# Altium PCB FPGA1.PcbDoc (part 3 of 5) (continued)
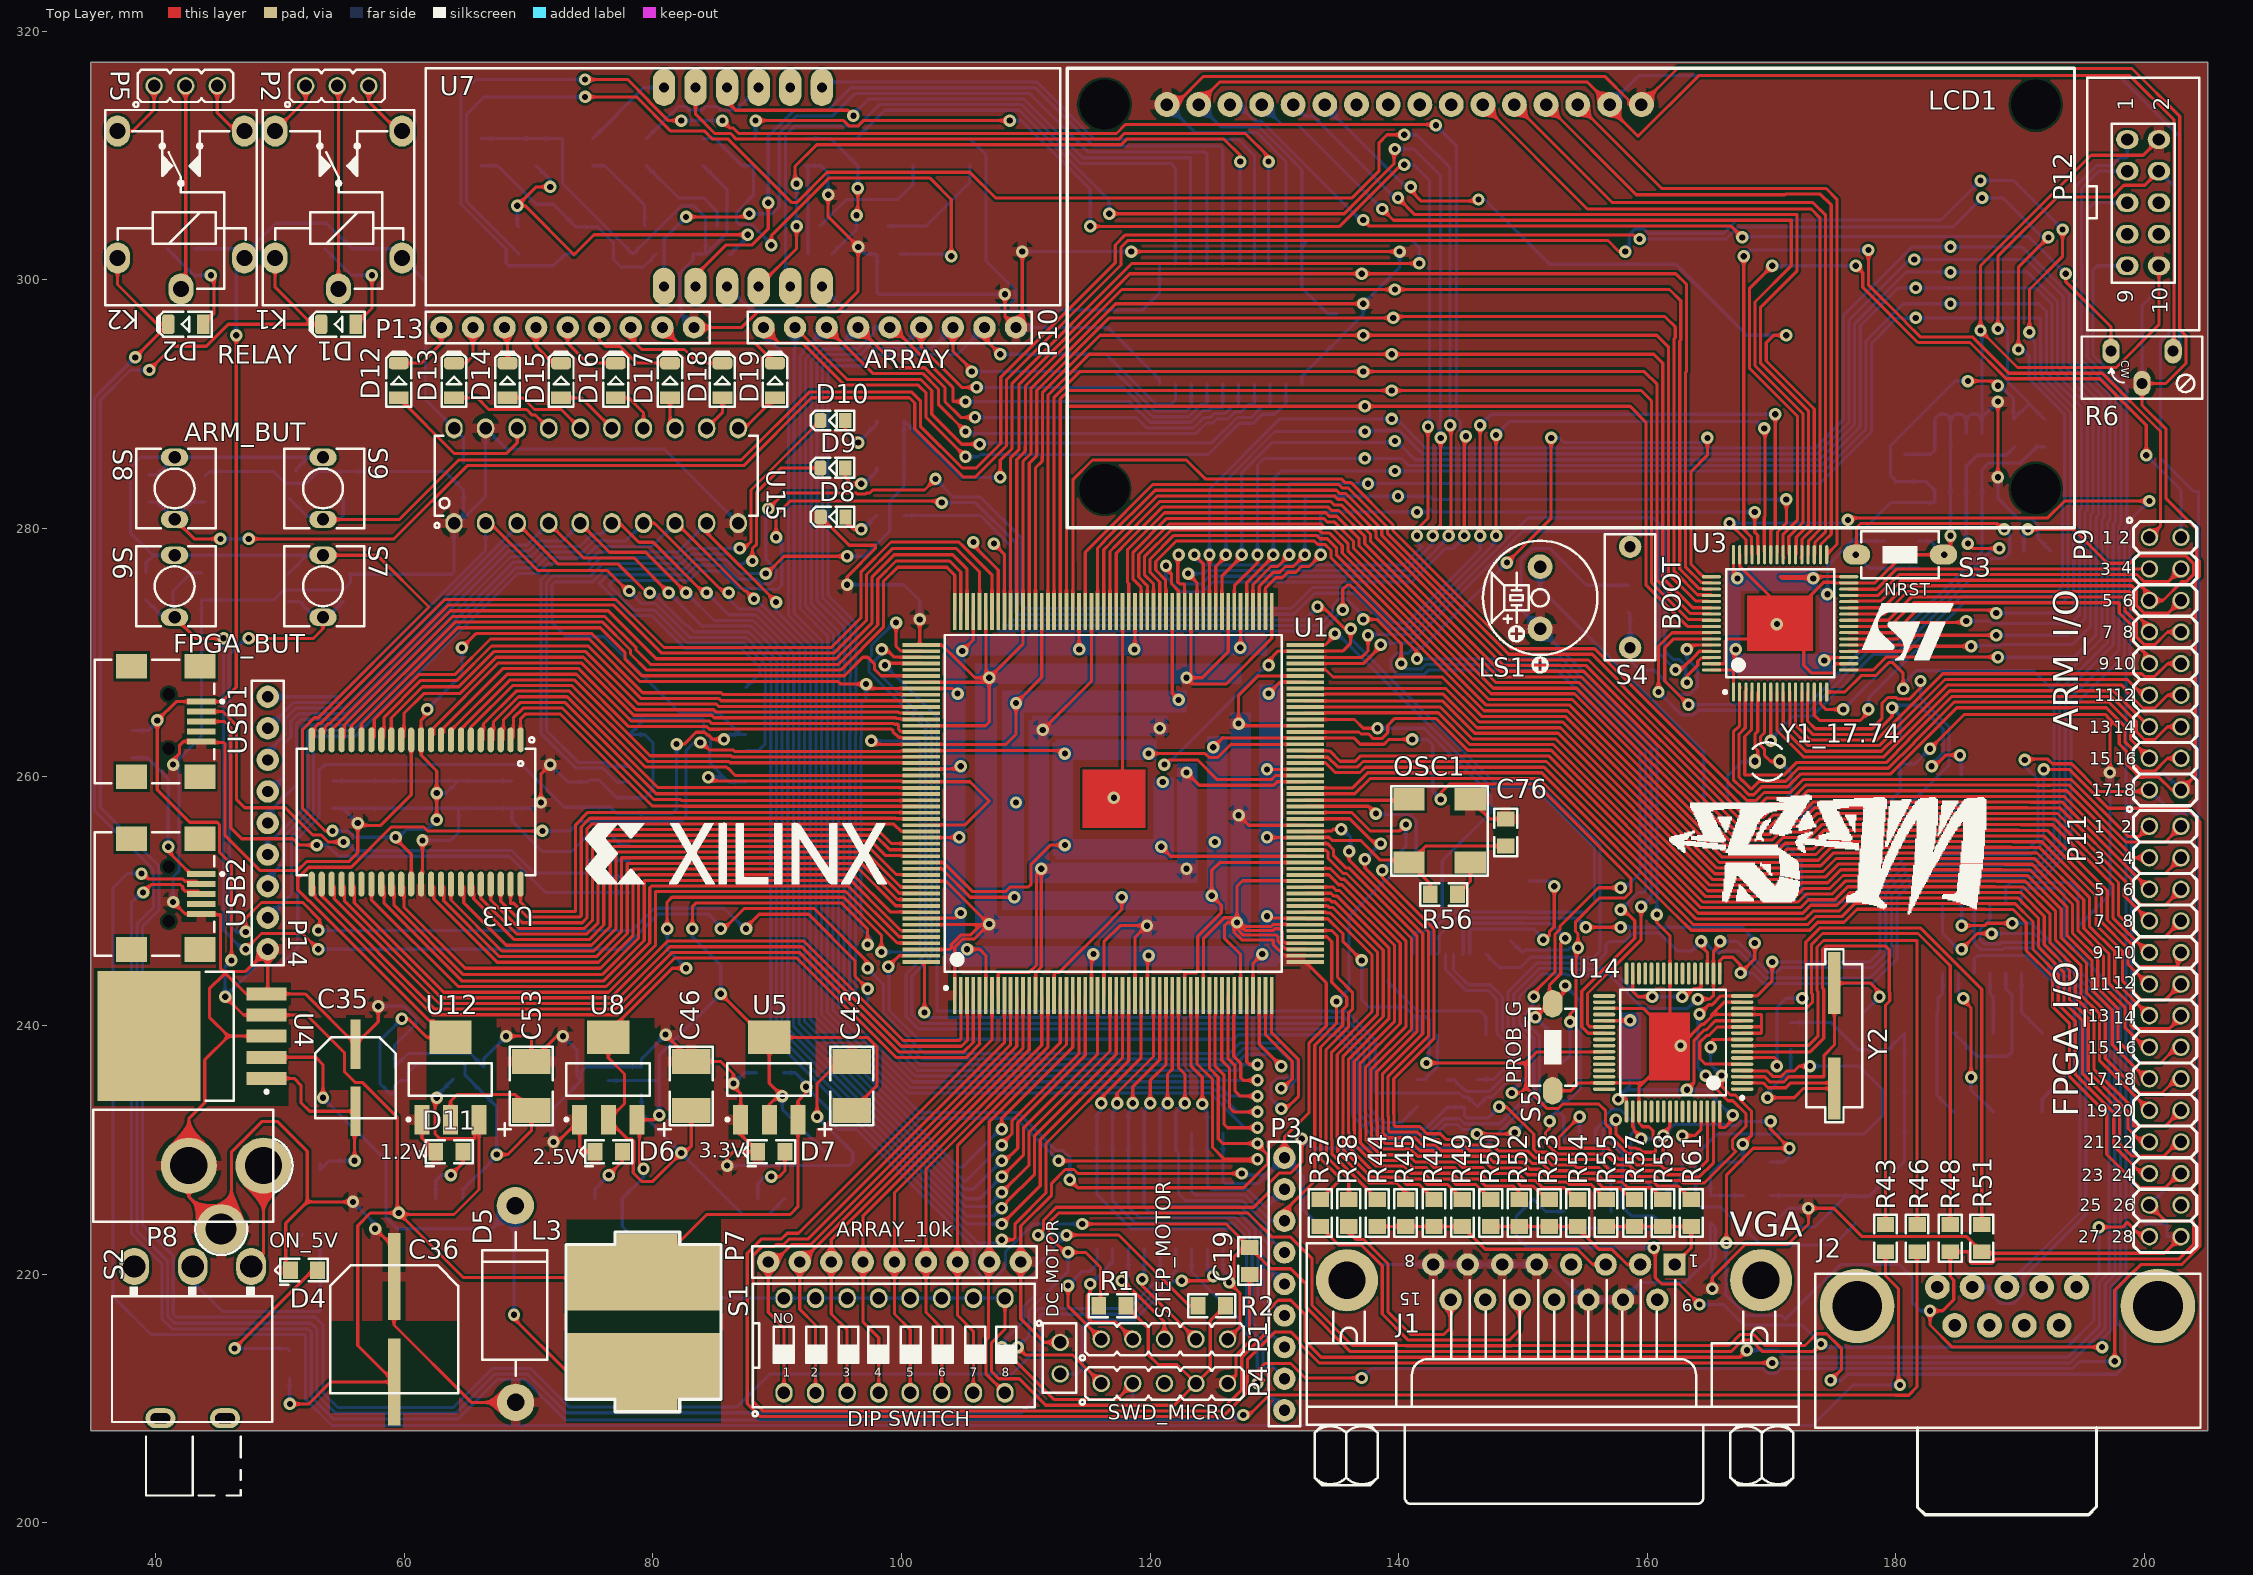
[diagram p0: Top Layer view]
## Nets (pads, with @x,y where several pads share a name; then routed paths per layer and width w, separated by ;. In a path a pad name is that pad's centre, name@x,y a point inside that pad or via, vN(x,y) a via of type N, cw(c..) or ccw(c..) an arc to the next point about the centre after c; other vN are vias at no path point) (continued)
IO2: U1.171 U13.9 | length 43.8
  Top Layer w0.254: U13.9@62.96,262.975 62.96,263.366 63.183,263.589 63.183,263.964 67.932,268.713 74.049,268.713 78.264,264.498 84.539,264.498 84.75,264.287 85.183,264.287 85.194,264.298 99.372,264.298 99.441,264.229 99.726,264.229 99.768,264.187 99.768,263.829 99.96,263.637 101.572,263.637 U1.171@101.595,263.614
IO3: U1.169 U13.10 | length 44.3
  Top Layer w0.254: U13.10@62.16,262.975 62.16,263.201 62.383,263.424 62.383,263.964 67.586,269.167 74.237,269.167 78.452,264.952 84.727,264.952 84.938,264.741 84.995,264.741 85.006,264.752 99.56,264.752 99.629,264.683 99.914,264.683 99.96,264.637 101.572,264.637 U1.169@101.595,264.614
IO4: U1.168 U13.13 | length 47.6
  Top Layer w0.254: U13.13@59.76,262.975 59.983,263.198 59.983,265.122 61.561,266.7 64.477,266.7 67.398,269.621 74.425,269.621 78.64,265.406 84.915,265.406 85.115,265.206 99.749,265.206 99.818,265.137 101.356,265.137 101.393,265.1 101.581,265.1 U1.168@101.595,265.114
IO5: U1.167 U13.14 | length 48.5
  Top Layer w0.254: U13.14@58.96,262.975 58.96,264.741 61.468,267.249 64.384,267.249 67.21,270.075 74.613,270.075 78.828,265.86 85.103,265.86 85.303,265.66 99.937,265.66 99.96,265.637 101.498,265.637 101.544,265.591 101.572,265.591 U1.167@101.595,265.614
IO6: U1.166 U13.15 | length 49.3
  Top Layer w0.254: U13.15@58.16,262.975 58.383,263.198 58.383,264.806 61.341,267.764 64.257,267.764 67.022,270.529 74.801,270.529 79.016,266.314 85.291,266.314 85.482,266.123 101.586,266.123 U1.166@101.595,266.114
IO7: U1.165 U13.16 | length 50.3
  Top Layer w0.254: U13.16@57.36,262.975 57.583,263.198 57.583,264.648 61.159,268.224 64.075,268.224 66.942,271.091 74.881,271.091 79.204,266.768 85.479,266.768 85.612,266.635 97.498,266.635 97.5,266.637 101.572,266.637 U1.165@101.595,266.614
IO8: U1.204 U13.29 | length 56
  Top Layer w0.254: U13.29@57.36,251.375 57.36,250.107 64.335,243.132 76.247,243.132 79.759,246.644 79.759,251.082 79.899,251.222 95.733,251.222 99.818,247.137 101.572,247.137 U1.204@101.595,247.114
IO9: U1.203 U13.30 | length 55.3
  Top Layer w0.254: U13.30@58.16,251.375 58.383,251.152 58.383,249.832 64.629,243.586 76.059,243.586 79.305,246.832 79.305,251.676 95.921,251.676 98.868,248.729 99.566,248.031 99.96,247.637 101.572,247.637 U1.203@101.595,247.614
IO10: U1.200 U13.31 | length 54.1
  Top Layer w0.254: U13.31@58.96,251.375 59.183,251.152 59.183,249.674 64.763,244.094 75.925,244.094 78.851,247.02 78.851,252.13 96.109,252.13 99.102,249.137 101.572,249.137 U1.200@101.595,249.114
IO11: U1.199 U13.32 | length 53.3
  Top Layer w0.254: U13.32@59.76,251.375 59.983,251.152 59.983,249.516 64.897,244.602 75.791,244.602 78.397,247.208 78.397,252.584 96.586,252.584 99.533,249.637 101.572,249.637 U1.199@101.595,249.614
IO12: U1.198 U13.35 | length 50.4
  Top Layer w0.254: U13.35@62.16,251.375 62.383,251.152 62.383,250.185 67.48,245.088 75.635,245.088 77.943,247.396 77.943,253.038 96.774,253.038 99.675,250.137 101.572,250.137 U1.198@101.595,250.114
IO13: U1.197 U13.36 | length 49.7
  Top Layer w0.254: U13.36@62.96,251.375 63.183,251.152 63.183,250.027 67.668,245.542 75.447,245.542 77.489,247.584 77.489,253.492 96.963,253.492 99.818,250.637 101.572,250.637 U1.197@101.595,250.614
IO14: U1.196 U13.37 | length 48.9
  Top Layer w0.254: U13.37@63.76,251.375 63.76,250.092 67.856,245.996 75.259,245.996 77.035,247.772 77.035,253.939 77.042,253.946 97.151,253.946 99.96,251.137 101.572,251.137 U1.196@101.595,251.114
IO15: U1.194 U13.38 | length 47.7
  Top Layer w0.254: U13.38@64.56,251.375 64.783,251.152 64.783,249.869 68.202,246.45 75.071,246.45 76.581,247.96 76.581,254.127 76.854,254.4 97.339,254.4 99.606,252.133 99.955,252.133 99.96,252.137 101.572,252.137 U1.194@101.595,252.114
K_1: P7.1 S1.1 U1.10 | length 41.8
  Top Layer w0.254: S1.1@90.551,210.444 90.551,215.646 89.281,216.916 P7.1@89.281,220.98 89.789,220.98 91.186,222.377 92.696,222.377 108.785,238.466 U1.10@108.785,242.411
K_2: P7.2 S1.2 U1.11 | length 39.8
  Top Layer w0.254: S1.2@93.091,210.434 93.091,215.9 91.821,217.17 P7.2@91.821,220.98 91.941,220.98 109.285,238.324 U1.11@109.285,242.411
K_3: P7.3 S1.3 U1.12 | length 38.9
  Top Layer w0.254: S1.3@95.631,210.444 95.631,215.519 94.361,216.789 P7.3@94.361,220.98 94.361,222.758 109.785,238.182 U1.12@109.785,242.411
K_4: P7.4 S1.4 U1.13 | length 38
  Top Layer w0.254: S1.4@98.171,210.444 98.171,214.884 96.901,216.154 P7.4@96.901,220.98 96.901,224.656 110.285,238.04 U1.13@110.285,242.411
K_5: P7.5 S1.5 U1.15 | length 37.4
  Top Layer w0.254: S1.5@100.711,210.444 100.711,215.519 99.441,216.789 P7.5@99.441,220.98 99.441,226.554 111.285,238.398 U1.15@111.285,242.411
K_6: P7.6 S1.6 U1.16 | length 36.6
  Top Layer w0.254: S1.6@103.251,210.444 103.251,215.646 101.981,216.916 P7.6@101.981,220.98 101.981,228.452 111.785,238.256 U1.16@111.785,242.411
K_7: P7.7 S1.7 U1.18 | length 35.9
  Top Layer w0.254: S1.7@105.791,210.444 105.791,215.392 104.521,216.662 P7.7@104.521,220.98 104.521,230.35 112.785,238.614 U1.18@112.785,242.411
K_8: P7.8 S1.8 U1.19 | length 35.3
  Top Layer w0.254: S1.8@108.331,210.444 106.796,211.979 106.796,214.653 107.011,214.868 107.011,220.93 P7.8@107.061,220.98 107.061,232.248 113.285,238.472 U1.19@113.285,242.411
LB: U1.191 U13.39 | length 46.3
  Top Layer w0.254: U13.39@65.36,251.375 65.583,251.152 65.583,250.185 68.864,246.904 74.883,246.904 76.057,248.078 76.057,254.739 76.172,254.854 97.527,254.854 97.665,254.716 ; 97.725,254.656 98.698,253.683 99.914,253.683 99.96,253.637 101.572,253.637 U1.191@101.595,253.614
MOTOR_1: P3.8 U1.39 U2.8 | length 23.4
  Top Layer w0.254: U1.39@123.285,242.411 123.285,236.76 124.206,235.839 v1(124.206,233.68)
  Bottom Layer w0.254: v1(124.206,233.68) 124.206,233.426 124.612,233.02 U2.8@124.612,231.347 124.612,227.178 124.968,226.822 127.811,226.822 129.311,225.323 P3.8@130.81,226.822
NetC35_2: C35.2 D3.2 U4.1 | length 16.6
  Top Layer w0.254: U4.1@48.926,235.74 51.153,235.74 51.689,235.204 51.689,233.807 52.4,233.096 C35.2@56.083,233.096 56.007,233.02 v1(56.007,229.108)
  Bottom Layer w0.254: D3.2@53.238,228.829 D3.2@53.238,228.397 53.95,229.108 v1(56.007,229.108)
NetC52_2: C52.2 U10.17 | length 3.2
  Bottom Layer w0.254: C52.2@74.93,253.289 78.053,253.289 U10.17@78.104,253.238
NetC62_2: C62.2 C64.2 L4.2 U14.9 | length 21.5
  Top Layer w0.254: v1(165.1,238.252) 165.1,238.633 165.346,238.879 U14.9@167.64,238.879 ; v1(165.989,235.966) 165.989,235.105 166.692,234.402 167.079,234.402 168.402,233.079 168.402,231.165 v1(167.691,230.454)
  Bottom Layer w0.254: v1(165.1,238.252) 165.1,236.855 v1(165.989,235.966) ; v1(167.691,230.454) L4.2@167.691,229.006 166.014,229.006 165.1,228.092 C64.2@165.1,226.314 C62.2@167.742,226.314
NetC63_2: C63.2 C65.2 L5.2 U14.4 | length 49.9
  Top Layer w0.254: U14.4@167.64,236.379 167.663,236.356 168.611,236.356 168.611,236.333 169.659,236.333 170.091,235.901 170.777,235.901 171.209,236.333 171.817,236.333 172.212,236.728 v1(173.101,236.728)
  Bottom Layer w0.254: v1(173.101,236.728) 177.038,236.728 178.943,234.823 178.943,232.791 177.419,231.267 168.048,231.267 168.033,231.281 165.622,231.281 163.906,229.565 L5.2@163.906,228.956 163.906,225.745 164.265,225.387 165.938,225.387 167.526,223.799 C63.2@167.691,223.799 169.161,222.329 175.009,222.329 C65.2@176.759,224.079
NetC71_1: C71.1 U17.1 | length 5.5
  Bottom Layer w0.254: U17.1@190.119,244.215 190.119,241.057 C71.1@191.779,239.397
NetC71_2: C71.2 U17.3 | length 4.9
  Bottom Layer w0.254: U17.3@187.579,244.215 187.579,242.57 187.842,242.307 C71.2@187.842,239.397
NetC72_2: C72.2 U17.2 | length 12.4
  Bottom Layer w0.254: C72.2@184.91,239.393 C72.2@184.649,239.393 186.522,237.52 188.977,237.52 189.357,237.9 189.357,242.443 188.849,242.951 U17.2@188.849,244.215
NetC73_1: C73.1 U17.4 | length 21
  Bottom Layer w0.254: U17.4@186.309,244.215 186.309,245.364 186.563,245.618 190.513,245.618 193.078,243.053 193.545,243.053 194.364,242.234 194.364,236.655 191.779,234.07 C73.1@191.779,233.047
NetC73_2: C73.2 U17.5 | length 11.8
  Top Layer w0.254: v1@185.674,241.808 186.055,241.427 v1(186.055,235.839)
  Bottom Layer w0.254: U17.5@185.039,244.215 185.039,242.57 v1(185.42,242.189) ; v1(186.055,235.839) 186.055,234.834 C73.2@187.842,233.047
NetC75_2: C75.2 U14.2 Y2.1 | length 18.3
  Top Layer w0.254: U14.2@167.64,235.379 169.329,235.379 169.715,234.993 171.153,234.993 171.539,235.379 174.602,235.379 Y2.1@175.057,234.925 172.568,234.925 171.831,234.188 v1(169.672,234.188)
  Bottom Layer w0.254: v1(169.672,234.188) 169.672,234.569 171.552,236.449 C75.2@171.552,238.049
NetC77_2: C77.2 U17.6 | length 11.9
  Bottom Layer w0.254: U17.6@183.769,244.215 183.769,242.57 183.388,242.189 183.388,241.21 183.322,241.144 183.322,234.37 C77.2@184.649,233.043
NetC78_2: C78.2 U14.3 Y2.2 | length 21.8
  Top Layer w0.254: U14.3@167.64,235.879 169.471,235.879 169.903,235.447 170.965,235.447 171.397,235.879 174.23,235.879 174.23,237.603 175.057,238.43 Y2.2@175.057,243.408 177.978,243.408 178.689,242.697 v1(178.689,242.316)
  Bottom Layer w0.254: C78.2@177.317,240.233 177.317,240.944 v1(178.689,242.316)
NetD1_1: D1.1 R4.1 | length 9.1
  Top Layer w0.254: D1.1@56.117,296.418 56.134,296.418 57.404,297.688 v1(57.404,300.355)
  Bottom Layer w0.254: R4.1@53.625,302.489 55.758,300.355 v1(57.404,300.355)
NetD1_2: D1.2 K1.5 U2.14 | length 200.6
  Top Layer w0.254: v1(39.497,292.735) 41.402,294.64 44.069,294.64 45.847,296.418 52.578,296.418 ; K1.5@49.617,301.752 49.617,299.379 52.578,296.418 ; D1.2@53.317,296.418 52.578,296.418
  Bottom Layer w0.254: v1(39.497,292.735) 37.98,292.735 35.549,290.304 35.549,257.542 40.234,252.857 40.234,252.433 40.27,252.397 40.27,249.305 38.954,247.989 38.954,223.936 41.421,221.469 41.421,216.784 41.67,216.535 52.832,216.535 53.467,215.9 53.467,210.46 54.666,209.261 63.959,209.261 67.11,212.412 70.163,212.412 73.282,209.293 86.738,209.293 89.408,211.963 108.893,211.963 110.72,213.79 110.72,216.899 111.04,217.219 118.286,217.219 120.802,219.735 U2.14@120.802,222.043
NetD2_1: D2.1 R5.1 | length 8.8
  Top Layer w0.254: D2.1@43.821,296.418 44.704,297.301 44.704,300.101 v1(44.45,300.355)
  Bottom Layer w0.254: R5.1@40.945,302.489 43.078,300.355 v1(44.45,300.355)
NetD2_2: D2.2 K2.5 U2.13 | length 193.7
  Top Layer w0.254: K2.5@36.937,301.752 36.937,299.613 40.132,296.418 D2.2@41.021,296.418 v1(38.354,293.751) v1@38.354,293.624
  Bottom Layer w0.254: v1(38.354,293.751) 35.095,290.492 35.095,257.286 39.78,252.601 39.78,252.245 39.816,252.209 39.816,249.493 38.5,248.177 38.5,223.495 40.967,221.028 40.967,216.596 41.517,216.046 52.512,216.046 52.978,215.58 52.978,210.307 54.478,208.807 64.147,208.807 67.298,211.958 69.906,211.958 73.025,208.839 109.652,208.839 111.174,210.361 111.174,216.711 111.228,216.765 118.594,216.765 122.072,220.243 U2.13@122.072,222.043
NetD3_1: D3.1 S2.2 | length 18.7
  Bottom Layer w0.254: S2.2@42.986,220.607 42.986,219.396 45.393,216.989 53.238,216.989 D3.1@53.238,223.19 ; D3.1@51.791,223.139 D3.1@51.841,223.19
NetD4_1: D4.1 R7.1 | length 13.7
  Top Layer w0.254: v1@46.355,213.741 v1(46.355,214.02) D4.1@52.654,220.32
  Bottom Layer w0.254: v1(46.355,214.02) 50.571,214.02 R7.1@50.775,213.817
NetD5_2: D5.2 L3.1 U4.2 | length 53.3
  Top Layer w0.254: U4.2@48.926,237.44 52.882,237.44 53.467,236.855 v1(53.467,234.188) ; v1@68.834,217.043 v1(68.834,216.725) 68.834,216.408 73.025,212.217 77.343,212.217 L3.1@79.502,210.058
  Bottom Layer w0.254: v1(53.467,234.188) 58.547,229.108 58.547,224.536 59.436,223.647 67.081,223.647 D5.2@68.834,225.4 ; v1(68.834,216.725) D5.2@68.834,225.4 ; D5.2@68.936,225.501 D5.2@68.834,225.4
NetD6_1: D6.1 R14.1 | length 4.7
  Top Layer w0.254: v1(76.454,227.965) 77.546,229.057 D6.1@77.546,229.845
  Bottom Layer w0.254: R14.1@75.362,226.087 75.362,226.873 v1(76.454,227.965)
NetD7_1: D7.1 R23.1 | length 5.3
  Top Layer w0.254: v1(89.535,227.838) 90.17,227.838 90.627,228.295 D7.1@90.627,229.845
  Bottom Layer w0.254: R23.1@88.443,226.087 88.443,227.279 89.002,227.838 v1(89.535,227.838)
NetD8_1: D8.1 R31.2 | length 3.6
  Top Layer w0.254: D8.1@95.504,280.924 95.504,280.543 96.139,279.908 v1(96.774,279.908)
  Bottom Layer w0.254: v1(96.774,279.908) 96.883,279.908 R31.2@98.015,281.04
NetD9_1: D9.1 R29.1 | length 4.2
  Top Layer w0.254: D9.1@95.488,284.861 95.488,284.115 96.012,283.591 v1(96.774,283.591)
  Bottom Layer w0.254: v1(96.774,283.591) 97.028,283.591 98.015,284.578 R29.1@98.015,284.836
NetD9_2: D9.2 U10.23 | length 49.3
  Top Layer w0.254: v1(88.011,277.368) 88.011,278.377 88.349,278.715 88.349,282.89 90.32,284.861 D9.2@93.488,284.861
  Bottom Layer w0.254: U10.23@78.104,260.858 76.461,260.858 76.15,261.169 73.991,261.169 71.447,263.713 71.447,275.656 71.943,276.152 74.981,276.152 76.002,277.173 82.369,277.173 83.126,277.93 86.052,277.93 86.868,277.114 87.249,277.114 87.503,277.368 v1(88.011,277.368)
NetD10_1: D10.1 R30.1 | length 4.6
  Top Layer w0.254: D10.1@95.488,288.671 95.488,287.925 v1(96.52,286.893)
  Bottom Layer w0.254: v1(96.52,286.893) 98.015,288.388 R30.1@98.015,288.646
NetD10_2: D10.2 U10.22 | length 51.3
  Top Layer w0.254: v1(86.995,278.384) 87.376,278.384 87.895,278.903 87.895,283.078 D10.2@93.488,288.671
  Bottom Layer w0.254: U10.22@78.104,259.588 77.089,259.588 75.962,260.715 73.803,260.715 70.993,263.525 70.993,275.844 71.755,276.606 74.793,276.606 75.814,277.627 82.181,277.627 82.938,278.384 v1(86.995,278.384)
NetD11_1: D11.1 R32.1 | length 5.4
  Top Layer w0.254: v1@63.5,227.965 v1(63.754,227.965) 64.719,228.93 D11.1@64.719,229.845
  Bottom Layer w0.254: R32.1@62.535,226.087 62.535,227.508 62.992,227.965 v1(63.754,227.965)
NetD12_2: D12.2 P13.1 | length 5.4
  Top Layer w0.254: D12.2@59.563,293.289 61.387,293.289 62.992,294.894 P13.1@62.992,296.164
NetD13_2: D13.2 P13.2 | length 4.1
  Top Layer w0.254: D13.2@64.008,293.289 64.943,293.289 65.532,293.878 P13.2@65.532,296.164
NetD14_2: D14.2 P13.3 | length 3
  Top Layer w0.254: P13.3@68.072,296.164 68.308,295.928 D14.2@68.308,293.289
NetD15_2: D15.2 P13.4 | length 4.1
  Top Layer w0.254: P13.4@70.612,296.164 70.612,294.64 71.963,293.289 D15.2@72.619,293.289
NetD16_2: D16.2 P13.5 | length 5.8
  Top Layer w0.254: P13.5@73.152,296.164 73.152,294.894 74.757,293.289 D16.2@77.021,293.289
NetD17_2: D17.2 P13.6 | length 7.5
  Top Layer w0.254: P13.6@75.692,296.164 75.692,295.148 76.2,294.64 77.343,294.64 78.694,293.289 D17.2@81.385,293.289
NetD18_2: D18.2 P13.7 | length 9.1
  Top Layer w0.254: P13.7@78.232,296.164 78.232,295.275 79.121,294.386 82.55,294.386 83.647,293.289 D18.2@85.598,293.289
NetD19_2: D19.2 P13.8 | length 10.3
  Top Layer w0.254: P13.8@80.772,296.164 82.042,294.894 88.227,294.894 D19.2@89.832,293.289
NetJ1_1: J1.1 R55.1 R57.1 R58.1 R61.1 | length 10.5
  Top Layer w0.254: R55.1@156.693,223.825 R57.1@158.979,223.825 R58.1@161.265,223.825 R61.1@163.551,223.825 163.551,222.122 J1.1@162.2,220.772
NetJ1_2: J1.2 R50.1 R52.1 R53.1 R54.1 | length 13.3
  Top Layer w0.254: R50.1@147.422,223.825 R52.1@149.708,223.825 154.28,223.825 156.105,221.999 157.163,221.999 158.39,220.772 J1.2@159.427,220.772
NetJ1_3: J1.3 R44.1 R45.1 R47.1 R49.1 | length 19.6
  Top Layer w0.254: R44.1@138.278,223.825 R45.1@140.564,223.825 R47.1@142.85,223.825 R49.1@145.136,223.825 146.961,221.999 154.39,221.999 155.617,220.772 J1.3@156.654,220.772
NetJ1_13: J1.13 R37.1 | length 24.8
  Top Layer w0.254: R37.1@133.706,223.825 135.201,222.329 137.019,222.329 138.684,220.664 138.684,216.789 140.789,214.684 148.898,214.684 149.733,215.519 J1.13@149.733,217.932
NetJ1_15: J1.15 R38.1 | length 16.8
  Top Layer w0.254: R38.1@135.992,223.825 135.992,223.356 136.565,222.783 137.207,222.783 139.138,220.852 139.138,216.977 140.977,215.138 143.637,215.138 144.145,215.646 144.145,217.89 J1.15@144.187,217.932
NetJ2_2: J2.2 U17.14 | length 45.5
  Bottom Layer w0.254: J2.2@186.14,218.962 187.565,218.962 187.565,218.46 188.39,217.635 189.49,217.635 190.267,218.412 190.267,219.533 190.246,219.554 190.246,219.737 195.283,224.774 195.283,242.599 193.921,243.961 193.454,243.961 192.731,244.684 192.731,245.151 191.194,246.688 188.522,246.688 188.403,246.569 187.082,246.569 186.763,246.888 186.763,247.723 187.579,248.539 U17.14@187.579,249.815
NetJ2_3: J2.3 U17.13 | length 39.7
  Bottom Layer w0.254: U17.13@186.309,249.815 186.309,246.634 186.828,246.115 188.591,246.115 188.71,246.234 191.006,246.234 192.277,244.963 192.277,244.496 193.266,243.507 193.733,243.507 194.818,242.422 194.818,224.951 188.94,219.073 J2.3@188.94,218.962
NetK1_1: K1.1 P2.2 | length 16.4
  Top Layer w0.254: P2.2@54.61,315.595 54.717,315.488 K1.1@54.717,299.252
NetK1_2: K1.2 P2.1 | length 4.7
  Top Layer w0.254: K1.2@49.617,311.952 49.617,311.999 52.07,314.452 P2.1@52.07,315.595
NetK1_3: K1.3 P2.3 | length 4.9
  Top Layer w0.254: P2.3@57.15,315.595 57.15,314.325 59.523,311.952 K1.3@59.817,311.952
NetK2_1: K2.1 P5.2 | length 16.5
  Top Layer w0.254: K2.1@42.037,299.252 42.418,299.633 P5.2@42.418,315.595
NetK2_2: K2.2 P5.1 | length 5.6
  Top Layer w0.254: K2.2@36.937,311.952 38.14,311.952 39.878,313.69 P5.1@39.878,315.595
NetK2_3: K2.3 P5.3 | length 5
  Top Layer w0.254: P5.3@44.958,315.595 44.958,313.436 46.442,311.952 K2.3@47.137,311.952
NetL6_1: L6.1 USB2.1 | length 12.8
  Top Layer w0.254: v1(41.021,254.381) 41.021,254 42.845,252.176 USB2.1@43.661,252.176
  Bottom Layer w0.254: L6.1@38.125,261.544 39.319,261.544 41.021,259.842 v1(41.021,254.381)
NetLCD1_3: LCD1.3 R6.3 | length 80.7
  Top Layer w0.254: v1(137.16,304.8) 137.633,304.327 166.716,304.327 v1(167.64,303.403) ; v1(193.675,300.482) 193.675,299.847 197.311,296.211 R6.3@197.311,294.259
  Bottom Layer w0.254: LCD1.3@126.437,314.09 127.11,314.09 128.437,312.763 128.957,312.763 136.92,304.8 v1(137.16,304.8) ; v1(167.64,303.403) 167.705,303.468 190.689,303.468 v1(193.675,300.482)
NetLS1_2: LS1.2 U2.12 | length 214.3
  Top Layer w0.254: v1(128.651,211.201) 128.905,211.201 129.159,211.455 128.524,212.09 129.243,212.809 131.318,212.809 132.491,211.636 v1(137.033,211.636) ; v1(191.897,260.604) 193.957,260.604 197.089,257.472 201.019,257.472 201.103,257.556 203.327,257.556 204.47,256.413 204.47,222.243 202.991,220.764 199.712,220.764 199.258,220.31 199.228,220.31 197.612,218.694 v1(197.612,212.979)
  Bottom Layer w0.254: U2.12@123.342,222.043 123.342,220.193 127.313,216.222 127.313,215.693 128.632,214.374 128.632,211.22 v1(128.651,211.201) ; v1(137.033,211.636) 137.795,212.398 169.337,212.398 169.71,212.025 170.396,212.025 170.769,212.398 194.244,212.398 194.825,212.979 v1(197.612,212.979) ; LS1.2@151.384,276.907 151.384,275.182 164.546,262.021 164.546,255.443 165.481,254.508 171.196,254.508 172.393,253.311 172.393,250.764 173.221,249.936 178.162,249.936 178.289,250.063 178.289,251.074 180.647,253.432 181.389,253.432 181.722,253.765 190.881,253.765 191.897,254.781 v1(191.897,260.604)
NetOSC1_1: OSC1.1 R56.1 | length 3
  Top Layer w0.254: R56.1@144.729,250.546 145.763,251.579 OSC1.1@145.763,253.111
NetP1_1: P1.1 U2.18 | length 9.7
  Top Layer w0.254: v1(113.411,219.075) 113.411,217.424 P1.1@116.078,214.757
  Bottom Layer w0.254: v1(113.411,219.075) 114.554,220.218 115.189,220.218 115.722,220.751 U2.18@115.722,222.043
NetP1_2: P1.2 U2.17 | length 10.8
  Top Layer w0.254: v1(115.189,219.202) 115.189,218.526 114.948,218.285 114.948,216.529 115.323,216.154 117.221,216.154 P1.2@118.618,214.757
  Bottom Layer w0.254: v1(115.189,219.202) 116.992,221.005 U2.17@116.992,222.043
NetP1_3: P1.3 U2.16 | length 9.1
  Top Layer w0.254: v1(117.729,219.456) 117.856,219.456 121.158,216.154 P1.3@121.158,214.757
  Bottom Layer w0.254: v1(117.729,219.456) 117.856,219.456 118.262,219.862 U2.16@118.262,222.043
NetP1_4: P1.4 U2.15 | length 9.1
  Top Layer w0.254: v1(119.38,219.583) 119.38,219.075 P1.4@123.698,214.757
  Bottom Layer w0.254: v1(119.38,219.583) 119.532,219.735 U2.15@119.532,222.043
NetP6_2: DC_MOTOR.2 U2.11 | length 19.9
  Top Layer w0.254: v1(122.555,219.456) 124.714,219.456 v1(125.095,219.837)
  Bottom Layer w0.254: DC_MOTOR.2@112.903,211.963 114.173,211.963 114.554,212.344 114.554,215.773 115.092,216.311 118.782,216.311 121.927,219.456 v1(122.555,219.456) ; U2.11@124.612,222.043 124.612,220.447 125.095,219.964 v1(125.095,219.837)
NetP8_2: P8.2 S2.1 | length 9.9
  Top Layer w0.254: S2.1@47.686,220.607 48.672,221.593 P8.2@48.672,228.727
  Bottom Layer w0.254: P8.2@47.686,227.741 P8.2@48.672,228.727
NetQ1_2: Q1.2 R12.2 R15.1 | length 40.4
  Top Layer w0.254: v1(89.535,302.768) 89.535,303.523 94.204,308.192 102.272,308.192 104.013,306.451 v1(104.013,301.879)
  Bottom Layer w0.254: R15.1@84.049,311.353 85.014,311.353 87.198,309.169 R12.2@88.113,309.169 88.113,306.833 86.93,305.651 86.93,305.624 86.741,305.435 86.741,304.673 86.976,304.438 87.973,304.438 89.535,302.876 v1(89.535,302.768) ; Q1.2@99.852,302.068 103.824,302.068 v1(104.013,301.879)
NetQ1_3: Q1.3 R10.2 | length 9.4
  Bottom Layer w0.254: Q1.3@98.902,304.318 102.007,304.318 105.512,307.823 R10.2@105.512,309.169
NetQ2_2: Q2.2 R13.2 R16.1 | length 13.1
  Top Layer w0.254: v1(96.393,305.181) 96.495,305.283 v1(96.495,307.365)
  Bottom Layer w0.254: R16.1@92.304,311.353 94.31,311.353 R13.2@96.495,309.169 v1(96.495,307.365) v1@96.52,307.34 ; Q2.2@94.391,302.068 96.393,304.07 v1(96.393,305.181)
NetQ2_3: Q2.3 R11.2 | length 10.4
  Bottom Layer w0.254: Q2.3@93.441,304.318 95.574,306.451 99.695,306.451 100.94,307.696 R11.2@100.94,309.169
NetQ3_2: Q3.2 R19.2 R21.1 | length 30.4
  Top Layer w0.254: v1(71.755,307.467) 70.612,307.467 v1(69.088,305.943) 69.723,305.943 73.66,302.006 75.265,303.611 v1(87.63,303.611)
  Bottom Layer w0.254: v1(69.088,305.943) 69.088,304.394 R19.2@69.24,304.241 ; R21.1@70.612,309.169 71.755,308.026 v1(71.755,307.467) ; Q3.2@86.136,302.068 86.198,302.006 87.63,303.438 v1(87.63,303.611)
NetQ3_3: Q3.3 R17.2 | length 8.4
  Bottom Layer w0.254: R17.2@79.477,309.169 82.067,306.578 84.074,306.578 85.186,305.466 Q3.3@85.186,304.318
NetQ4_2: Q4.2 R20.2 R22.1 | length 18.7
  Bottom Layer w0.254: R22.1@66.192,309.169 67.513,309.169 70.612,306.07 71.984,306.07 R20.2@73.812,304.241 75.579,304.241 76.835,302.985 76.835,301.625 77.438,301.022 79.248,301.022 Q4.2@80.294,302.068
NetQ4_3: Q4.3 R18.2 | length 7.2
  Bottom Layer w0.254: R18.2@75.159,309.169 76.149,309.169 79.344,305.974 Q4.3@79.344,304.318
NetR26_1: R26.1 U11.8 | length 15.4
  Top Layer w0.254: v1(151.638,246.888) 151.765,246.888 152.135,247.258 152.135,247.546 152.527,247.938 v1(152.527,251.206)
  Bottom Layer w0.254: U11.8@145.719,245.747 145.719,247.7 145.783,247.764 149.832,247.764 149.846,247.75 150.903,247.75 151.638,247.015 v1(151.638,246.888) ; R26.1@150.444,251.612 152.248,251.612 152.527,251.333 v1(152.527,251.206)
NetR28_1: R28.1 S5.1 U1.207 U11.7 | length 103.7
  Top Layer w0.254: v1(98.933,244.729) 99.822,245.618 101.591,245.618 U1.207@101.595,245.614 ; v1(146.304,231.267) 148.971,231.267 v1@149.352,231.648 ; v1(151.003,240.665) 152.09,241.752 S5.1@152.4,241.752 ; v1(153.416,243.205) 153.416,242.768 S5.1@152.4,241.752 ; v1(153.416,247.015) 153.043,246.642 153.043,244.158 152.146,243.261 152.146,242.006 S5.1@152.4,241.752
  Bottom Layer w0.254: v1(98.933,244.729) 99.006,244.656 99.006,241.227 101.346,238.887 126.746,238.887 127.108,239.249 134.886,239.249 136.306,237.829 136.306,232.735 138.221,230.819 142.594,230.819 143.82,232.045 144.715,232.045 145.118,231.642 145.929,231.642 v1(146.304,231.267) ; U11.7@145.069,245.747 145.202,245.747 145.202,247.825 145.595,248.218 150.02,248.218 150.034,248.204 152.227,248.204 v1(153.416,247.015) ; v1(149.352,231.394) 151.892,233.934 153.67,233.934 154.624,234.888 154.624,241.997 v1(153.416,243.205) ; v1(151.003,240.665) R28.1@152.4,239.268
NetR33_1: R33.1 U11.17 | length 4.6
  Bottom Layer w0.254: R33.1@141.503,235.661 142.089,235.661 143.119,236.692 U11.17@143.119,239.241
NetR33_2: R33.2 U1.208 | length 51.2
  Top Layer w0.254: U1.208@101.595,245.114 101.854,244.855 v1(101.854,241.046)
  Bottom Layer w0.254: v1(101.854,241.046) 101.854,240.985 102.185,240.654 135.532,240.654 135.589,240.712 137.668,238.633 137.668,233.299 138.786,232.181 140.208,232.181 R33.2@141.503,233.477
NetR34_1: R34.1 U11.6 | length 18.7
  Bottom Layer w0.254: R34.1@143.916,235.61 144.501,235.61 145.415,234.696 147.327,234.696 149.298,236.667 149.298,238.632 148.36,239.57 148.36,242.299 147.381,243.278 145.603,243.278 144.419,244.462 U11.6@144.419,245.747
NetR35_1: R35.1 U11.5 | length 15
  Bottom Layer w0.254: U11.5@143.769,245.747 143.769,244.47 145.415,242.824 147.193,242.824 147.906,242.111 147.906,239.382 148.844,238.444 148.844,236.855 147.65,235.661 R35.1@146.329,235.661
NetR43_1: R43.1 USB2.2 | length 204.5
  Top Layer w0.254: v1(38.862,252.222) 38.989,252.222 39.424,251.787 42.188,251.787 42.376,251.599 43.28,251.599 43.503,251.376 USB2.2@43.661,251.376 ; R43.1@179.172,221.793 179.172,219.866 180.223,218.815 180.223,211.191 v1(180.34,211.074)
  Bottom Layer w0.254: v1(38.862,252.222) 37.719,252.222 36.576,251.079 36.576,218.186 39.624,215.138 52.07,215.138 52.07,209.931 54.186,207.815 173.271,207.815 176.53,211.074 v1(180.34,211.074)
NetR43_2: R43.2 U14.7 | length 42.1
  Top Layer w0.254: U14.7@167.64,237.879 173.109,237.879 174.201,238.971 174.201,242.908 174.117,242.992 174.117,246.126 174.371,246.38 179.178,246.38 179.477,246.081 179.477,242.698 179.516,242.659 179.516,241.973 179.172,241.629 R43.2@179.172,223.977
NetR46_1: R46.1 USB2.3 | length 203.6
  Top Layer w0.254: v1(38.989,250.698) 39.624,251.333 42,251.333 42.184,251.149 42.184,250.991 42.376,250.799 43.438,250.799 USB2.3@43.661,250.576 ; v1(127.508,208.661) 127.975,208.661 129.583,210.269 179.975,210.269 179.997,210.247 181.037,210.247 181.712,210.922 R46.1@181.712,221.793
  Bottom Layer w0.254: v1(38.989,250.698) 38.989,250.825 38.046,249.882 38.046,223.307 40.513,220.839 40.513,216.408 41.329,215.592 52.258,215.592 52.458,215.392 52.524,215.392 52.524,210.119 54.29,208.353 64.335,208.353 67.486,211.504 69.718,211.504 72.953,208.269 126.735,208.269 127.127,208.661 v1(127.508,208.661)
NetR46_2: R46.2 U14.8 | length 44.7
  Top Layer w0.254: U14.8@167.64,238.379 172.967,238.379 173.747,239.159 173.747,242.72 173.663,242.804 173.663,246.314 174.183,246.834 181.712,246.834 R46.2@181.712,223.977
NetR48_2: R48.2 U14.14 | length 44
  Top Layer w0.254: U14.14@167.64,241.379 167.657,241.362 172.809,241.362 173.293,241.846 173.293,242.532 173.209,242.616 173.209,246.502 174.103,247.396 181.792,247.396 184.379,244.809 R48.2@184.379,223.977
NetR51_2: R51.2 U14.6 | length 50.7
  Top Layer w0.254: U14.6@167.64,237.379 167.663,237.402 168.611,237.402 168.611,237.425 170.245,237.425 170.434,237.236 v1(170.434,236.728) ; v1(172.466,242.189) 172.755,242.478 172.755,246.69 173.915,247.85 181.98,247.85 186.919,242.911 R51.2@186.919,223.977
  Bottom Layer w0.254: v1(170.434,236.728) 170.434,241.427 171.196,242.189 v1(172.466,242.189)
NetR59_2: R59.2 R60.1 U16.4 | length 20.2
  Bottom Layer w0.254: R59.2@150.851,223.825 150.964,223.711 161.315,223.711 R60.1@161.315,223.825 160.477,224.663 158.75,224.663 157.988,225.425 157.988,229.749 U16.4@157.099,230.638
NetR60_2: R60.2 U14.61 U16.3 | length 21.6
  Top Layer w0.254: v1(162.814,231.14) 163.83,231.14 164.34,231.65 U14.61@164.34,233.079
  Bottom Layer w0.254: U16.3@155.829,230.638 155.829,231.597 156.653,232.421 156.653,232.753 157.137,233.237 157.823,233.237 158.942,232.118 158.942,231.486 158.685,231.229 158.685,228.64 R60.2@161.315,226.009 161.315,226.339 162.814,227.838 v1(162.814,231.14)
NetU1_104: U1.104 U11.3 | length 51.3
  Top Layer w0.254: U1.104@132.485,270.614 134.089,270.614 134.874,271.399 v1(134.874,271.526)
  Bottom Layer w0.254: v1(134.874,271.526) 135.094,271.526 147.486,259.134 150.942,259.134 155.756,254.32 155.756,249.863 155.005,249.112 150.41,249.112 150.396,249.126 144.229,249.126 142.602,247.499 142.602,245.747 U11.3@142.469,245.747
NetU10_15: U10.15 USB1.3 | length 44.9
  Top Layer w0.254: USB1.3@43.661,264.455 45.545,264.455 46.046,263.954 46.046,255.896 46.925,255.016 51.054,255.016 51.562,254.508 v1(52.959,254.508)
  Bottom Layer w0.254: v1(52.959,254.508) 53.821,254.508 54.721,253.608 61.999,253.608 62.01,253.619 68.453,253.619 71.374,250.698 U10.15@78.104,250.698
NetU10_16: U10.16 USB1.2 | length 43.8
  Top Layer w0.254: USB1.2@43.661,265.255 45.387,265.255 46.5,264.142 46.5,258.191 47.178,257.513 50.438,257.513 52.616,255.335 53.302,255.335 53.875,254.762 v1(55.118,254.762)
  Bottom Layer w0.254: v1(55.118,254.762) 55.118,255.016 56.072,254.062 61.811,254.062 61.822,254.073 68.641,254.073 70.435,252.279 76.397,252.279 76.708,251.968 U10.16@78.104,251.968